# KiCad board pandore.kicad_pcb (continued)
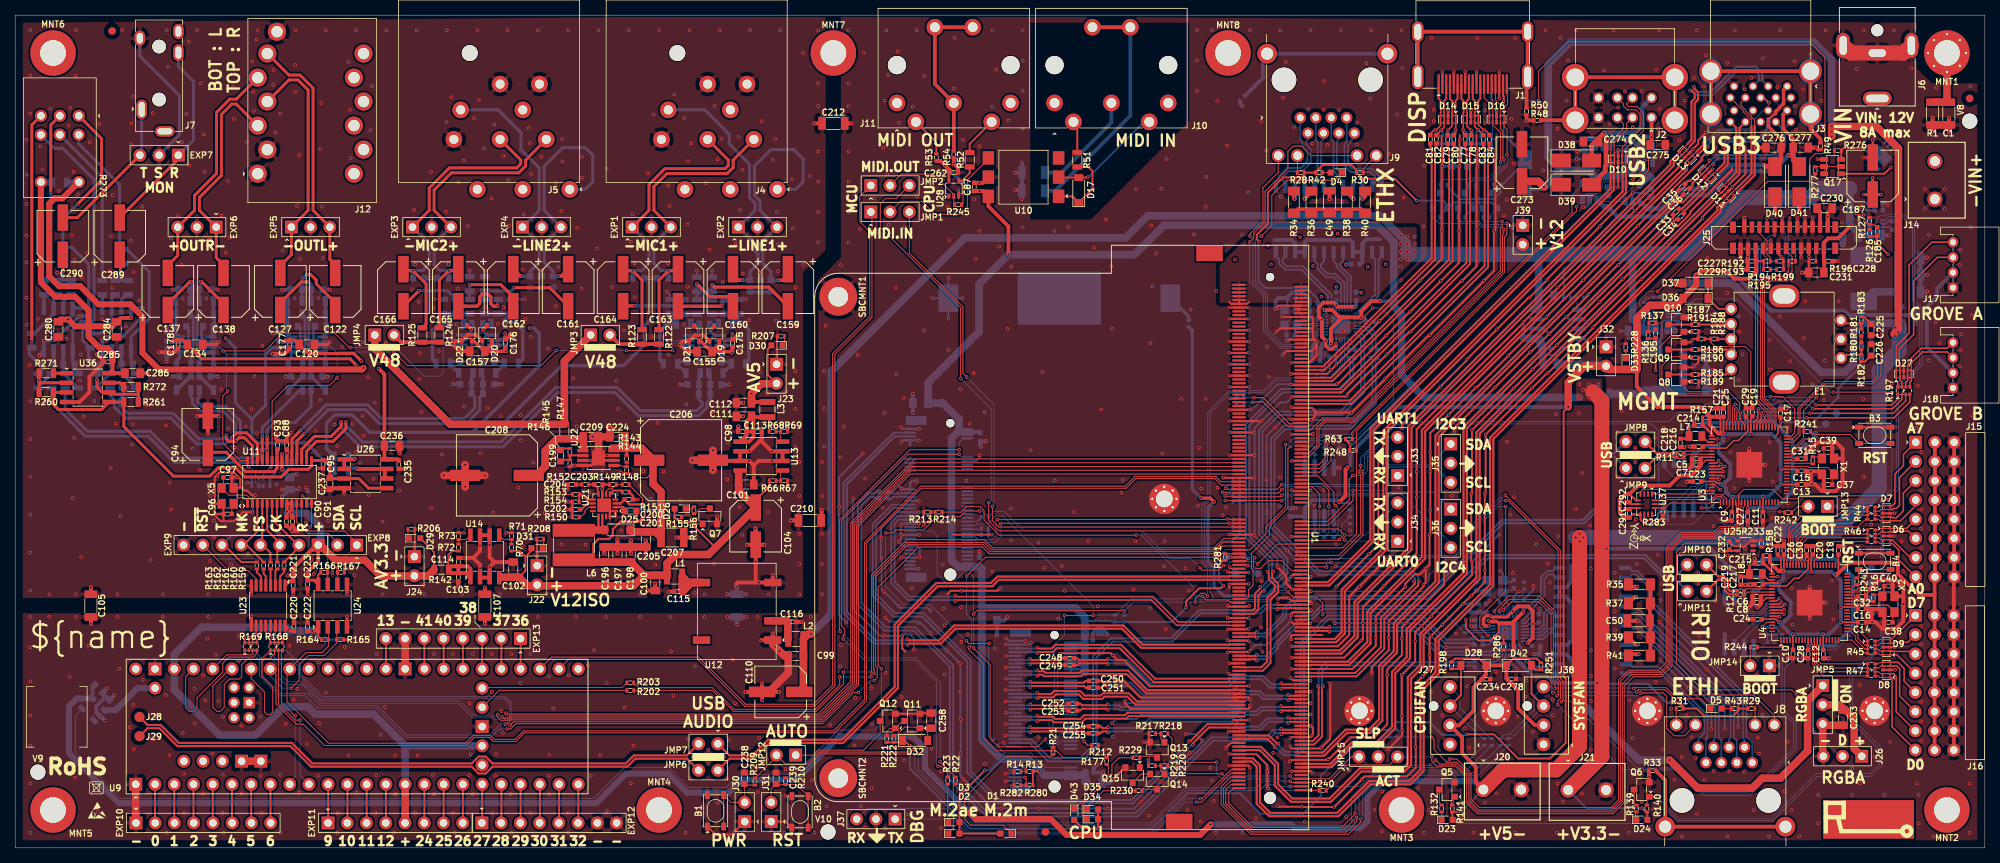
[diagram p0: board, top side]
## Routing (per net, layer and track width the routed paths; a pad name or vN(x,y) marks a point on that pad's centre or on a via; arc(x,y) is an arc through that point) (continued)
Net-(U1B-VBAT): length 50.2
  Top w0.3: U1.115 168.73,36.12 v1(168.45,35.85)
  Top w0.4: v1(156.54,46.2) 157.76,46.2 v1(158.24,45.72)
  Bottom w0.4: v1(158.24,45.72) 157.45,44.93 157.45,37.78 158.24,36.99 158.24,34.59 159.56,33.27 165.21,33.27 166.45,34.51 167.11,34.51 v1(168.45,35.85) ; R284.1 155.38,68.34 155.38,47.36 v1(156.54,46.2)
Net-(U3A-VREG.AVDD): length 2.9
  Top w0.35: 223.95,54.48 223.95,54.7 222.85,55.8 C214.2 R157.1
Net-(U3A-VREG.LX): length 1.6
  Top w0.2: U3.63 223.45,53.6 L7.1
Net-(U3B-QSPI.~{SS}²(PU)|F0:QMI.~{CS0}): length 5.3
  Top w0.2: v1(224.93,48.7) 224.83,48.8 U3.75
  Bottom w0.127: R234.2 223.69,45.56 223.69,47.44 R238.1 224.15,47.93 v1(224.93,48.7)
Net-(U3B-SWCLK¹): length 3
  Top w0.127: v1(235.6,52.5) 235.2,52.5 234.3,51.6 U3.33
  Bottom w0.127: TP1.1 235.6,52.6 v1(235.6,52.5)
Net-(U3B-SWDIO¹): length 4.8
  Top w0.127: U3.34 234.3,52 236.3,54 v1(236.8,54)
  Bottom w0.127: TP3.1 237,54 v1(236.8,54)
Net-(U3B-XIN): length 8.2
  Top w0.127: U3.30 236.69,50.4 236.83,50.25 239.24,50.25 240.1,49.39 X1.3 239.85,49.09 C37.2
Net-(U3B-XOUT): length 3.5
  Top w0.127: U3.31 237.16,50.8 237.22,50.74 R15.1
Net-(U4A-VREG.AVDD): length 2.9
  Top w0.35: 230.72,38.6 230.72,37.6 230.83,37.6 231.92,36.5 231.92,36.28
Net-(U4A-VREG.LX): length 1.6
  Top w0.2: L8.1 231.42,35.4 U4.63
Net-(U4B-QSPI.~{SS}²(PU)|F0:QMI.~{CS0}): length 4.3
  Top w0.2: U4.75 232.8,30.6 v1(232.9,30.5)
  Bottom w0.127: v1(232.9,30.5) 232.75,30.5 232.04,29.79 232.04,29.39 R239.1 R235.2
Net-(U4B-SWCLK¹): length 5.6
  Top w0.127: v1(243.61,33.96) 243.45,33.8 242.62,33.8 242.22,33.4 U4.33
  Bottom w0.127: v1(243.61,33.96) 243.61,32.39 TP2.1
Net-(U4B-SWDIO¹): length 4.6
  Top w0.127: U4.34 242.24,33.8 242.49,34.05 243.11,34.05 243.42,34.36 243.45,34.36 243.47,34.38 243.98,34.38 v1(244.2,34.6)
  Bottom w0.127: v1(244.2,34.6) 245,33.8 TP4.1
Net-(U4B-XIN): length 14.9
  Top w0.127: 244.81,32.05 244.66,32.2 ; 244.81,32.05 244.66,32.2 ; 244.81,32.05 247.21,32.05 ; 244.81,32.05 247.21,32.05 ; 244.66,32.2 U4.30 244.66,32.2 ; 248.07,31.19 247.21,32.05 ; 248.07,31.19 X2.3 ; 248.07,31.19 X2.3 ; 248.07,31.19 247.21,32.05 ; X2.3 247.82,30.89 C38.2
Net-(U4B-XOUT): length 6.9
  Top w0.127: 245.19,32.54 R16.1 245.19,32.54 ; 245.19,32.54 245.13,32.6 ; 245.19,32.54 245.13,32.6 ; 245.13,32.6 U4.31 245.13,32.6
Net-(U7-CKXTAL1): length 8.9
  Bottom w0.127: C74.2 167.82,68.77 X3.3 168.61,70.08 169.72,70.08 170,69.8 170,69.13 R24.2 170.94,68.25 171.67,68.98 U7.28
Net-(U7-CKXTAL2): length 6.8
  Bottom w0.127: C73.2 169.02,71.27 X3.1 169.16,71.05 170.25,69.96 170.25,69.48 170.64,69.09 R24.1 171.11,69.26 172.77,69.26 172.89,69.38 U7.29
Net-(U7-LED0): length 39.3
  Top w0.127: v1(164.5,80.8) 165.88,82.18 165.88,86.18 167.9,88.2 174.12,88.2 D4.C
  Bottom w0.127: v1(164.5,80.8) 164.23,80.8 163.73,80.3 163.73,74.69 165.31,73.11 165.31,68.48 167.27,66.52 170.01,66.52 172.07,68.58 U7.27
Net-(U7-RSET): length 1.5
  Bottom w0.127: R26.2 172.05,70.93 172.8,70.18 U7.31
Net-(U7-~{ISOLATE}): length 7
  Bottom w0.127: R19.1 173.87,62.16 175.18,63.47 U7.20
Net-(U8-CKXTAL1): length 7.4
  Bottom w0.127: C76.2 194.05,35.08 X4.3 195.21,34.42 195.21,33.22 R25.2 196.59,31.84 196.6,31.84 196.9,31.54 U8.28
Net-(U8-CKXTAL2): length 5.2
  Bottom w0.127: C75.2 197.49,33.98 196.65,33.98 X4.1 196.8,33.33 R25.1 197.2,32.14 197.2,30.7 U8.29
Net-(U8-LED0): length 40.8
  Top w0.127: v1(203,20.49) 202.85,20.64 202.85,21.76 202.73,21.88 202.73,30.87 201.1,32.5 197.5,32.5 v1(196.43,31.42) 196.39,31.42 196.34,31.37 196.34,31.37 ; D5.C 222.48,19.7 219,19.7 217.82,20.88 214.32,20.88 v1(214.03,20.59)
  Bottom w0.127: v1(214.03,20.59) 203.1,20.59 v1(203,20.49) ; U8.27 196.5,31.35 v1(196.43,31.42)
Net-(U8-RSET): length 4
  Bottom w0.127: U8.31 198.1,30.97 198.41,31.29 198.41,33.06 199.18,33.83 R27.2
Net-(U8-~{ISOLATE}): length 3.8
  Bottom w0.127: U8.20 195.14,28.44 191.39,28.44
Net-(U9-ON/OFF): length 19.4
  Top w0.127: U9.53 61.72,21.18 80.13,21.18 R203.1
Net-(U9-~{PROGRAM}): length 20.8
  Top w0.127: R202.1 63.88,20.8 U9.52 62.17,18.03
Net-(U11-AD0): length 2.8
  Top w0.127: v1(37.94,46.52) 38.47,46 U11.13
  Bottom w0.127: 38.62,45.42 R65.1 ; 38.62,46.17 38.29,46.17 v1(37.94,46.52)
Net-(U11-XTI): length 6.6
  Top w0.127: C97.2 27.5,47.8 X5.3 28.2,46.6 30.55,46.6 31.31,45.83 U11.2
Net-(U11-XTO): length 4.2
  Top w0.127: U11.1 30.66,45.83 30.25,46.25 29.55,46.25 28.85,45.55 X5.1 28.6,45.2 C96.2
Net-(U12-VIN+): length 4.3
  Top w1: U12.3 101.85,30 C116.2 102,27.65 L2.2
Net-(U12-VOUT+): length 7.9
  Top w1: L1.1 88.85,35.05 U12.8 89.3,35.05 C115.2 88.05,33.9 L1.1
Net-(U13-EN): length 2
  Top w0.127: R66.2 R67.1 101.05,49.6 U13.5
Net-(U13-FB): length 2
  Top w0.127: U13.8 101.05,53.9 R69.1 R68.2
Net-(U13-OUT): length 13.9
  Top w0.25: L3.1 99.55,56.65 R68.1
  Top w0.5: C98.2 C113.2 ; C98.2 96.55,54.5 U13.1 96.86,53.65 97.45,54.24 C113.2 ; C98.2 96.55,56.35 C111.2 ; C113.2 97.45,56.75 C111.2 ; C111.2 97.3,56.9 L3.1
Net-(U14-EN): length 2.5
  Top w0.127: U14.5 64.48,40.72 R71.1 R70.2
Net-(U14-FB): length 2.4
  Top w0.127: R72.2 R73.1 59.52,40.73 U14.8
Net-(U14-OUT): length 12.1
  Top w0.25: R142.1 57.2,38.73 57.7,39.23 R72.1
  Top w0.5: C103.2 59.5,36.3 U14.1 60.1,36.85 59.75,37.2 C114.2 ; C103.2 57.65,36.3 R142.1 57.65,37.2 C114.2 ; C103.2 C114.2
Net-(U19-BST): length 1.4
  Bottom w0.2: U19.6 246.9,82.45 247.23,82.78 C179.1
Net-(U19-COMP): length 2.4
  Bottom w0.2: U19.4 244.5,83.2 R128.1 245.4,84.25 C184.2
Net-(U19-FB): length 3.5
  Top w0.127: C185.1 245.38,82.36 R127.1 ; v1(244.13,82.77) 244.54,82.36 R127.1 ; R127.1 R126.2
  Bottom w0.127: v1(244.13,82.77) 244.45,82.45 U19.3
Net-(U19-NC(SW)): length 7
  Bottom w0.2: C179.2 247.75,81.8 247.55,82 U19.7 246.06,82 246.03,82.03
  Bottom w0.3: 246.03,82.03 245.88,82.03 245.65,81.8 U19.9 245.65,79.25 244.62,78.22 244,78.22
Net-(U20-BST): length 1.5
  Bottom w0.2: U20.6 218.95,70.1 C189.1
Net-(U20-COMP): length 2.4
  Bottom w0.2: C191.2 216.25,71.8 R135.1 216.2,70.85 U20.4
Net-(U20-FB): length 4.4
  Top w0.127: v1(215.84,70.45) 215.66,70.26 R137.1 215.66,68.29 R136.2 216.24,68.17 C195.1
  Bottom w0.2: 215.75,70.5 216.15,70.1 U20.3
Net-(U20-NC(SW)): length 6.5
  Bottom w0.2: U20.9 217.35,69.37 217.63,69.65 U20.7 219.3,69.65 C189.2
  Bottom w0.3: U20.9 217.35,67.47 L5.1
Net-(U21-COMP): length 2.3
  Top w0.25: R152.1 C203.2 76.45,47.95 76.9,47.5 76.9,46.82 U21.8
Net-(U21-EN_UVLO_SYNC): length 2.9
  Top w0.127: R148.2 R149.1 78.75,47.4 78.3,47.4 78,47.1 U21.6
Net-(U21-FB): length 3.1
  Top w0.25: U21.9 75.5,46 74.8,46.7 R153.2 R154.1
Net-(U21-MODE): length 2.5
  Top w0.127: U21.11 75.7,45 75.2,44.5 75.2,44.25 74.65,43.7 R150.1
Net-(U21-RT): length 1.9
  Top w0.25: U21.5 78.86,47.08 78.88,47.08 79,47.2 79.95,47.2 R151.1
Net-(U21-SS): length 2.1
  Top w0.25: U21.10 75.55,45.5 74.75,44.7 C202.2
Net-(U21-VCC): length 1.6
  Top w0.3: U21.2 80.25,45 80.5,44.75 C201.2
Net-(U22-EN): length 2.3
  Top w0.127: U22.5 80.03,50.52 80.2,50.35 R144.1 R143.2
Net-(U22-FB): length 3.6
  Top w0.25: U22.2 74.92,51.85 R145.2 R146.1 72.2,51.25 C199.1
Net-(U23-INA): length 2.4
  Top w0.25: U23.2 34.99,35.89 35.5,36.4 R159.1
Net-(U23-INB): length 2.3
  Top w0.25: U23.3 34.35,36.6 R160.1
Net-(U23-INC): length 2.2
  Top w0.25: U23.4 33.72,36.83 R161.1
Net-(U23-IND): length 2.3
  Top w0.25: R162.1 32.8,36.2 33.08,35.92 U23.5
Net-(U23-INE): length 3.4
  Top w0.127: R169.5 31.9,27.5 v1(32.3,27.9) 32.45,28.05 U23.11
  Bottom w0.127: R169.5 31.9,27.5 v1(32.3,27.9)
Net-(U23-INF): length 3.3
  Top w0.127: R169.6 31.35,27.65 v1(31.6,27.9) 31.81,28.11 U23.10
  Bottom w0.127: v1(31.6,27.9) 31.35,27.65 R169.6
Net-(U23-OUTA): length 3.2
  Top w0.127: U23.15 34.99,28.21 v1(35.3,27.9) R168.5
  Bottom w0.127: R168.5 v1(35.3,27.9)
Net-(U23-OUTB): length 3.3
  Top w0.127: R168.6 34.75,27.75 v1(34.6,27.9) 34.35,28.15 U23.14
  Bottom w0.127: R168.6 34.75,27.75 v1(34.6,27.9)
Net-(U23-OUTC): length 3.4
  Top w0.127: R168.7 34.25,27.55 v1(33.9,27.9) 33.72,28.08 U23.13
  Bottom w0.127: v1(33.9,27.9) 34.25,27.55 R168.7
Net-(U23-OUTD): length 3.5
  Top w0.127: U23.12 33.08,28.02 v1(33.2,27.9) 33.7,27.4 R168.8
  Bottom w0.127: R168.8 33.7,27.4 v1(33.2,27.9)
Net-(U23-OUTE): length 2.4
  Top w0.25: U23.6 32.45,35.85 31.9,36.4 R163.1
Net-(U26A-IN-): length 3.7
  Top w0.5: v1(44.84,51.42) 44.74,51.32 U26.1 U26.2
  Bottom w0.5: v1(44.84,51.42) 44.29,51.42 R204.1
Net-(U26B-IN-): length 6.6
  Top w0.5: 48.79,50.06 48.79,49.04 U26.6 ; v1(45.14,50.12) 45.2,50.06 U26.7
  Bottom w0.5: v1(45.14,50.12) 44.29,50.12 R205.1
Net-(U27-EN): length 2.5
  Bottom w0.127: U27.5 206.15,71.35 R224.1 R223.2
Net-(U27-FB): length 2.3
  Bottom w0.127: U27.8 206.16,67.05 R226.1 R225.2
Net-(U27-OUT): length 8.6
  Bottom w0.25: 201.65,65.1 203.56,65.1 R225.1
  Bottom w1: R227.1 201.65,65.85 C261.2 201.55,66.55 U27.1 199.2,67.3 C260.2
Net-(U28A-Y): length 6.1
  Top w0.127: U28.4 124.55,87.95 125.11,87.39 125.11,85.16 R245.2
  Top w0.25: R52.2 126,89.14 124.96,88.1 U28.4
Net-(U33-OUT): length 7.9
  Bottom w0.8: U33.1 13.25,18.19 C263.2 16.16,21.1 U9.59
Net-(U34A-IN+): length 5.8
  Bottom w0.4: R252.2 3.11,60.95 R255.2 5.06,62.9 C282.1 5.07,63.92 U34.3
Net-(U34A-IN-): length 5.8
  Bottom w0.4: R253.1 6.61,62.45 R254.2 6.36,62.9 C281.2 6.34,63.92 U34.2
Net-(U34A-OUT): length 41.1
  Top w0.4: R273.1 11.4,93.7 11.4,88.2 v1(8.2,85)
  Bottom w0.4: v1(8.2,85) 6.3,83.1 R274.1 7.45,79.35 9.71,77.09 9.71,69.81 9.45,69.55 8.75,69.55 7.6,68.4 7.6,65.71 U34.1 7.61,64.15 C281.1 7.86,63.1 R253.2
Net-(U34A-V+): length 51.6
  Top w0.5: C284.2 13.9,70 v1(15.3,70) ; C285.2 12.85,63.16 U36.8 14.5,62.7 C286.2
  Top w0.8: 9.7,68.9 9.7,71 7.9,72.8 5.3,72.8 3.4,74.7 R273.8 ; 9.7,68.9 9.7,67.5 11.2,66 12.2,66 12.85,65.35 C285.2 ; 9.7,68.9 12.8,68.9 C284.2 ; 9.7,68.9 7.9,68.9 v1(7,69.8) 6.01,69.8 C280.2
  Bottom w0.5: v1(7,69.8) 7.61,70.41 U34.8 7.66,71.35 C279.2 ; C283.2 15.35,71.25 U35.8 15.3,70 v1(15.3,70)
  Bottom w0.8: R273.8 3.45,87.9 R275.1
Net-(U34B-IN+): length 1.8
  Bottom w0.4: R264.2 3.8,72.36 3.8,72.36 U34.5
Net-(U34B-IN-): length 6.7
  Bottom w0.4: R263.2 2.55,67.95 5.07,70.47 U34.6 5.07,72.52 R262.1
Net-(U34B-OUT): length 2.3
  Bottom w0.4: U34.7 6.34,72.14 7.25,73.05 R265.1
Net-(U35A-IN+): length 5.8
  Bottom w0.4: R258.2 10.81,60.95 R257.2 12.76,62.9 C287.1 12.77,63.91 U35.3
Net-(U35A-IN-): length 5.8
  Bottom w0.4: U35.2 14.03,63.92 C288.2 14.06,62.9 R256.2 14.31,62.45 R259.1
Net-(U35A-OUT): length 36.9
  Bottom w0.4: R259.2 15.56,63.1 C288.1 15.3,64.15 U35.1 15.3,67.5 17.7,69.9 17.7,76.1 14.75,79.05 R270.1 13.8,79.55 13.8,87.6 8.4,93 R273.4
Net-(U35B-IN+): length 1.8
  Bottom w0.4: U35.5 11.5,72.36 11.5,72.37 R269.2
Net-(U35B-IN-): length 7.3
  Bottom w0.4: R266.2 11.25,67.95 12.77,69.47 U35.6 12.77,72.62 R267.1
Net-(U35B-OUT): length 2.3
  Bottom w0.4: R268.1 14.65,73.05 14.03,72.44 U35.7
Net-(U36A-IN-): length 43.1
  Top w0.4: R271.2 3.15,61.85 v1(3.07,61.78) ; v1(3.07,61.78) 3.42,61.44 U36.2 ; v1(3.07,61.78) 3.15,61.7 R260.2 ; v1(2.2,67) 2.2,95.5 R273.3
  Bottom w0.4: v1(2.2,67) R263.1 1.9,65.75 1.9,65.16 3.16,63.9 C282.2 3.56,63.1 R252.1 3.11,61.81 v1(3.07,61.78)
Net-(U36A-OUT): length 1.8
  Top w0.4: R271.1 5.05,62.7 U36.1
Net-(U36B-IN-): length 47.1
  Top w0.4: 16.25,60 16.17,59.92 12.64,59.92 U36.6 11.5,60.17 10.8,60.86 v1(10.8,61.8) ; 16.25,60 R272.2 ; 16.25,60 R261.2
  Bottom w0.4: R273.6 5.2,92.4 6.3,92.4 10.4,88.3 10.4,69.75 9.65,69 9.51,69 8.92,68.41 8.92,67.03 R266.1 9.7,65.85 9.7,64.8 10.6,63.9 C287.2 11.26,63.1 R258.1 10.81,61.81 v1(10.8,61.8)
Net-(U36B-OUT): length 2.2
  Top w0.4: R272.1 13.82,61.44 U36.7

## Copper pours and planes (outline as drawn; the poured copper is in the pictures)
AVSS on Top, Bottom, In1.Cu, In2.Cu: 107,79 107,110 1,109 1,33 104,33 104,76
V3P3 on Top, Bottom: 209.5,62 209.5,59 206,59 206,62
V12 on Top: 159,77 159,72 179,72 185,78 185,82 164,82
V12 on Bottom: 182.5,81 182.5,76 231,76 231,84 237,84 239,86 248,86 248,88 243,93 234,93 231,90 227,90 218,81
VSS on Top, Bottom, In1.Cu, In2.Cu: 251,109 251,103 253,101 259,101 259,1 1,1 1,31 106,31 106,75 109,78 109,110
Net-(C180-Pad2) on Bottom: 242,71 250,71 250,79 242,79
Net-(C192-Pad2) on Bottom: 221,66 221,59 210,59 210,62 212,64 218,64 218,66
Net-(J6-TIP) on Bottom: 249,102 258,93 258,88 249,88 241,96 241,102
Net-(U19-NC(SW)) on Bottom: 246,80 242,80 242,77 246,77
Net-(U20-NC(SW)) on Bottom: 218,68 214,68 214,64 218,64

## Text on the board
B.Silkscreen: SWCLK | SWDIO | ~{RST} | - | WayWayWay
User.Comments: TODO: pivot mcu
User.Drawings: connector's plane
F.Mask: ${revision}
F.Silkscreen: SDA | SCL | - | 0 | T S R / MON | 1 | 2 | 3 | 4 | 5 | 6 | 9 | 10 | 11 | 13 | 12 | + | 41 | 24 | 40 | 25 | 39 | 26 | 38 | 27 | 28 | 37 | 36 | 29 | 30 | 31 | 32 | RX | TX | ACT | UART0 | I2C4 | - D + | +OUTR- | -OUTL+ | -MIC2+ | -LINE2+ | -MIC1+ | -LINE1+ | MIDI.OUT | MIDI.IN | SLP | UART1 | I2C3 | BOOT | RST | VIN: 12V / 8A max | D0 | A7 | A0 | D7 | ~{RST} | T | MK | FS | CK | R | MCU | CPU | CPUFAN | SYSFAN | USB | RGBA | ON | V48 | V12ISO | PWR | AUTO | USB / AUDIO | MIDI OUT | M.2ae | M.2m | MIDI IN | +V5- | +V3.3- | GROVE B | GROVE A | AV3.3 | AV5 | DBG | BOT : L / TOP : R | V12 | VSTBY | -VIN+ | USB2 | MGMT | ETHI | USB3 | ETHX | DISP | VIN | RTIO | ${name}
